# Altium PCB cheriot-test.PcbDoc (part 5 of 10) (continued)
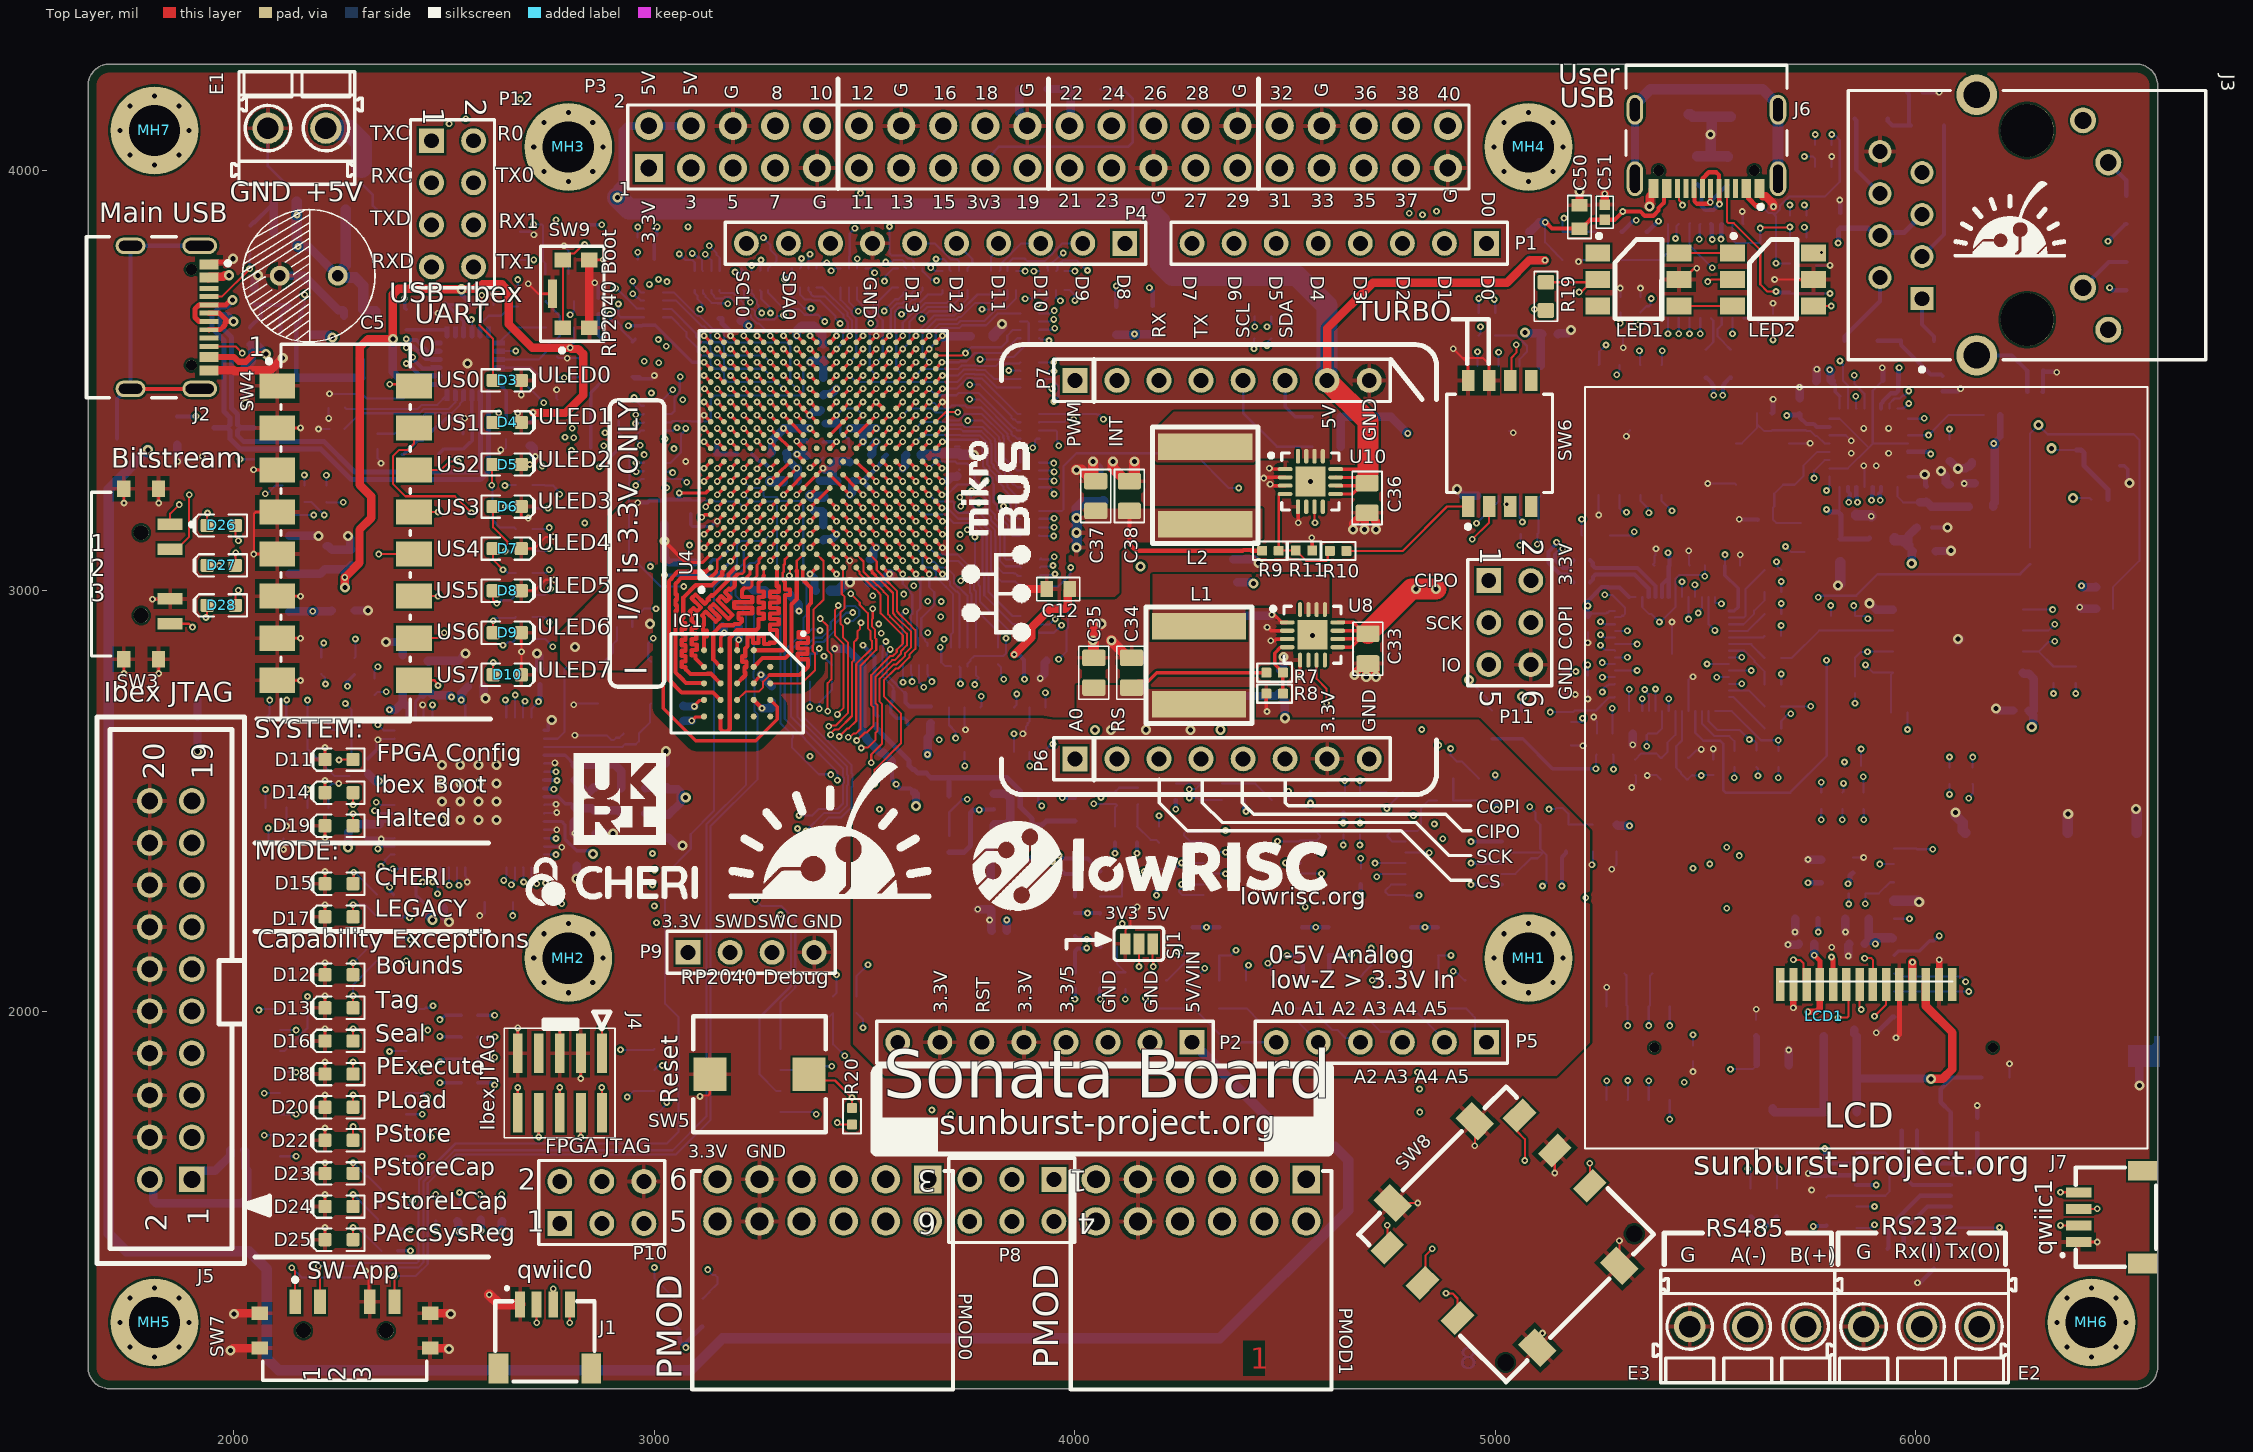
[diagram p0: Top Layer view]
## Nets (pads, with @x,y where several pads share a name; then routed paths per layer and width w, separated by ;. In a path a pad name is that pad's centre, name@x,y a point inside that pad or via, vN(x,y) a via of type N, cw(c..) or ccw(c..) an arc to the next point about the centre after c; other vN are vias at no path point) (continued)
  Bottom Layer w12: C24.2@3153.54,3646.71 3160.23,3646.71 3160.93,3646 3160.93,3635.99 3180.34,3616.58 3180.34,3607.06 v1(3181.1,3606.3) ; R38.2@3700.79,2377.95 3736.22,2377.95 3751.97,2393.7 3751.97,2471.63 3758.23,2477.9 3771.56,2477.9 v1(3772.33,2478.66) ; C109.2@5658.11,3422 5660.42,3424.31 v1(5660.42,3454.92) ; v1(5905.51,1948.82) 5906.28,1949.58 5908.26,1949.58 5944.29,1985.62 SD1.11@5948.23,1985.62 ; v1(5920,3530) 5920,3528.92 5921.89,3527.03 C131.2@5921.89,3500 ; v2(6021.03,3275.93) 6023.01,3273.94 6023.01,3250.1 C128.2@6025,3248.11
  Bottom Layer w19.68: v1(3210.05,3024.22) 3211.05,3024.22 3217.78,3017.49 3218.73,3017.49 3235.39,3000.83
  Bottom Layer w20: R4.2@1865,3346.54 1865,3308.23 v1(1866.14,3307.09) ; C1.2@2026.31,3477.44 2027.56,3476.19 v2(2027.56,3444.88) ; R3.2@2047.24,3720.47 2049.06,3722.28 2049.06,3741.97 v2(2057.09,3750) ; C2.2@2094.88,3850 C3.2@2094.88,3921.06 ; C5.2@2109.2,3749 2166.35,3749 2248.19,3667.17 2259.02,3667.17 2261.81,3664.37 Q5.1@2261.81,3653.54 ; U2.1@2132.05,3130.56 2200.15,3130.56 v2(2200.79,3129.92) ; C41.2@2220.47,3106.3 2224.41,3106.3 2233.86,3096.85 C40.2@2279.53,3096.85 2276.93,3099.45 2276.93,3124.65 v2(2271.65,3129.92) ; C39.2@2287.4,2952.76 v2(2318.9,2952.76) ; v2(2362.2,2877.95) 2389.86,2877.95 2401.57,2866.24 C76.2@2401.57,2846.46 ; C75.2@2462.99,2830.71 C75.2@2460.63,2833.07 2533.86,2833.07 v2(2551.18,2850.39) ; C137.2@2496.85,2248.03 2499.45,2245.43 2499.45,2224.96 v2(2511.81,2212.6) ; C138.2@2592.91,2771.65 2594.49,2770.08 2594.49,2748.03 v2(2598.43,2744.09) ; C42.2@2704,3344.44 2707.94,3344.44 2712.7,3339.68 2712.7,3322.73 v1(2716.54,3318.9) ; v2(2720.47,2850.39) 2725.75,2845.12 2725.75,2815.98 C117.2@2728.35,2813.39 ; C74.2@2811.02,2548.82 2829.94,2529.9 2829.94,2514.4 v2(2830.71,2513.64) 2831.47,2514.4 2838.03,2514.4 2856.06,2532.44 C73.2@2860,2532.44 ; v2(2814.96,2314.96) C134.2@2814.96,2345.67 ; C70.2@2860,2422.44 v2(2901.33,2422.44) ; C20.2@3023.62,3159.38 v2(3023.62,3118.11) 3024.29,3117.44 3024.29,3077.8 C21.2@3024.96,3077.13 3035.16,3066.93 C15.2@3096.06,3066.93 ; C72.2@3027.56,2590 v2(3027.56,2618.11) ; C69.2@3030,2412.44 3033.94,2412.44 3052.68,2393.7 v2(3066.93,2393.7) ; C68.2@3068.23,2689.67 3069.48,2690.92 v1(3089.01,2690.92) ; C67.2@3198.11,2915 3200.43,2912.68 v1(3200.43,2883.06) ; 3235.39,3000.83 3262.64,3000.83 3267.4,2996.06 C19.2@3267.4,2992.13 ; v1(3253.4,2800.16) 3254.77,2798.79 3254.77,2797.2 3255.78,2796.19 C66.2@3279.53,2772.44 ; C7.2@3313.39,3326.77 3315.98,3324.17 3315.98,3312.08 3336.73,3291.34 v1(3338.58,3291.34) ; v1(3338.98,3324.52) 3340.43,3323.07 3359.61,3323.07 C139.2@3362.2,3320.47 ; C6.2@3340.95,3259.84 v1@3340.95,3291.34 ; v1(3369.58,3417.49) 3377.91,3425.82 3392.33,3425.82 C17.2@3395.64,3429.13 ; v1(3370.08,3543.31) 3373.3,3546.53 3398.98,3546.53 3401.57,3549.13 C23.2@3401.57,3506.3 ; 3377.95,3192.91 3381.65,3189.21 3398.98,3189.21 3401.57,3186.61 C25.2@3401.57,3155.91 ; C10.2@3393.55,3262.05 3394.27,3261.33 C8.2@3424.3,3261.33 ; v1@3405.02,3287.4 3424.3,3287.4 ; v1(3429.13,2862.2) 3456.69,2862.2 3494.25,2824.65 3494.25,2662.8 3500.75,2656.31 3500.75,2655.2 3503.84,2652.12 3503.84,2648.68 3538.39,2614.13 3545.32,2614.13 3564.96,2594.49 U14.3@3564.96,2586.61 ; C8.2@3435.09,3260.61 3434.37,3261.33 C8.2@3424.3,3261.33 ; C16.2@3464.57,3304.72 3461.97,3307.32 3432.24,3307.32 3429.17,3304.25 3429.17,3301.66 3424.3,3296.79 3424.3,3287.4 ; C9.2@3515.36,3322.83 3517.96,3325.43 3517.96,3340.87 3521.06,3343.98 3521.06,3347.83 v1(3527.56,3354.33) ; C59.2@3618.11,2519.68 3622.05,2515.75 v2(3622.05,2488.19) ; v1(3649.61,2610.24) 3649.61,2649.61 3655.67,2655.67 3655.67,2683.23 R195.1@3657.48,2685.04 ; C56.2@3838.11,2191.26 v1(3838.11,2216.86) ; R213.1@3868.11,4192.91 3868.11,4136.71 3887.01,4117.82 P3.20@3887.01,4105.12 ; v1(3917.32,2791.34) 3927.8,2801.81 3927.8,2828.16 C11.2@3932.56,2832.93 ; v2(4043.31,3307.09) 4043.31,3306 4058.23,3291.08 4058.23,3272.48 4062.99,3267.72 C13.2@4066.93,3267.72 ; C31.2@4376.38,3074.8 4426.97,3074.8 4435.59,3066.19 v2(4436.67,3066.19) ; C32.2@4385.83,3019.68 4421.62,3019.68 4424.11,3017.19 v2(4425.2,3017.19) ; U9.1@4395.16,2930.55 4404.84,2940.24 4444.17,2940.24 ; 4444.88,2940.94 4444.17,2940.24 ; v1(4468.5,2942.84) 4465.9,2940.24 4444.17,2940.24 ; C30.2@4488.19,2811.02 4491.3,2811.02 4496.06,2815.79 v2(4496.06,2842.52) ; v2(4908.85,3241.15) 4924.55,3225.45 U19.4@4957.53,3225.45 ; C91.2@5148.11,3610 5150.71,3612.6 5172.6,3612.6 v2(5180,3620) ; v1(5326.77,2633.86) 5326.77,2659.88 C85.2@5326.89,2660 ; v1(5695.82,2158.39) 5720.28,2158.39 C112.2@5721.89,2160 ; Q2.2@5697.4,1871.18 v1(5697.4,1907.8) ; C113.2@5712.44,2220 5712.6,2219.84 v1(5712.6,2188.14) ; C132.2@5723.33,3458.03 v1(5723.33,3483.63) ; v1(5743.3,2360.54) C121.2@5775,2360.54 ; C133.2@5763.33,3498.39 5764.58,3499.64 v1(5764.58,3526.55) ; v1(5832.44,2188.3) C115.2@5832.44,2220 ; v1(5839,2131.16) 5839.29,2131.45 5839.29,2157.4 C114.2@5841.89,2160 ; v2(5890,2970) 5905,2955 U17.4@5945.45,2955 ; C125.2@6047.56,3093.54 6048.29,3094.27 6082.38,3094.27 v2(6083.11,3095) ; v2(6060,3285) 6060,3283.92 6071.3,3272.62 6071.3,3257.32 6076.06,3252.56 C124.2@6080,3252.56 ; 6080,3307.91 6081.01,3307.91 6098.92,3290 v2(6100,3290) 6100.77,3290.77 6118.21,3290.77 6123.74,3296.3 6127.68,3296.3 6132.44,3301.06 C123.2@6132.44,3305 ; U17.9@6100,2880 6105,2885 v2(6100,2885) ; v1(6115,3255) C127.2@6140,3255 ; v2(6190,2720) 6195,2715 C80.2@6231.89,2715 ; v1(6389.76,2960.63) 6393.7,2956.69 R205.2@6429.13,2956.69 ; v2(6531.5,1822.83) 6531.5,1893.7 ; C8.2@3424.3,3261.33 3424.3,3287.4
  Bottom Layer w25: v1(2811.02,2423.22) C71.2@2811.02,2448.82 ; C14.2@3419.69,3000 3419.78,3000.1 3437.11,3000.1 3456.97,3019.96 v2(3465,3019.96) ; C29.2@3511.81,3019.68 3539.37,3019.68 v1(3559.06,3039.37) ; C26.2@3635.53,3322.83 3635.62,3322.93 3665.22,3322.93 3669.13,3326.84 3724.34,3326.84 3728.35,3322.83 v2(3759.84,3322.83) ; C111.2@3807.56,3605 3807.56,3608.94 3826.77,3628.15 v2(3826.77,3633.86) ; C52.2@5460,4132.44 5463.94,4132.44 5469.84,4126.54 5514.92,4126.54 ; R35.1@5480,4033.46 5480.91,4032.56 5516.41,4032.56 ; R36.1@5552.82,4031.65 5551.91,4032.56 5516.41,4032.56 ; R33.2@5560,4126.54 5514.92,4126.54 ; v2(5814.96,3011.81) 5820,3016.85 C126.2@5820,3067.44 ; C130.2@5858.11,3180 5858.21,3179.9 5890.96,3179.9 v1(5893.7,3177.17) ; SD1.6@5948.23,2263.18 6004.54,2263.18 v2(6007.87,2259.84) ; v2(6094.49,2472.44) 6094.49,2464.5 6111.4,2447.59 6111.4,2430.71 SD1.12@6117.52,2424.59 ; SD1.10@6361.61,2424.59 6361.61,2450.31 6361.61,2467.91 v2(6362.2,2468.5) ; v2(6523.62,2480.32) 6525,2478.94 SD1.13@6525,2424.59 ; 5514.92,4126.54 5514.92,4087.76 v2(5511.81,4084.65) 5511.81,4037.16 5516.41,4032.56
  other v1: 5751.97,1574.8 5800.07,2151.9 5875.98,3297.24 5905.51,3297.24 3074.8,3307.09 5846.46,3326.77 5935.04,3326.77 5875.98,3385.83 5935.04,3385.83
  other v2: 4565,2893.89 4560.04,3259.53
  other v3: 2495.04,2455.04 2538.35,2455.04 2581.65,2455.04 2624.96,2455.04 2495.04,2498.35 2538.35,2498.35 2581.65,2498.35 2624.96,2498.35 2495.04,2541.65 2538.35,2541.65 2581.65,2541.65 2624.96,2541.65 2495.04,2584.96 2538.35,2584.96 2581.65,2584.96 2624.96,2584.96
HYPERRAM_CK_N: IC1.B1 U4.G2 | length 333.3
  Top Layer w6: 3308.41,3022.65 3305.08,3025.98 3305.08,3042.06 3307.95,3044.93 3307.95,3061.29 3310.34,3063.68 3310.34,3074.11 U4.G2@3322.83,3086.61
  Top Layer w10: IC1.B1@3236.22,2858.27 3305.15,2858.27 3305.15,2860.54 3310.74,2866.14 3310.74,2919.58 3310.74,2989.58 3322.75,2989.58 3322.75,3002.58 3310.74,3002.58 3310.74,3014.71 3310.63,3014.83 3310.63,3020.43 3308.41,3022.65
HYPERRAM_CK_P: IC1.B2 U4.H2 | length 348.7
  Top Layer w6: 3338.58,3047.24 3338.58,3070.87 U4.H2@3354.33,3086.61
  Top Layer w10: IC1.B2@3236.22,2818.9 3257.32,2840 3311.41,2840 3325.74,2854.33 3325.74,2967.48 3338.58,2980.32 3338.58,3027.48 3339.08,3027.98 3339.08,3044.64 3338.58,3045.14 3338.58,3047.24
HYPERRAM_CS: IC1.A3 U4.J2 | length 414.4
  Top Layer w5: IC1.A3@3275.59,2779.53 3350.39,2779.53 3381.89,2811.02 3381.89,2850.77 3376.52,2856.13 3376.52,2868.97 3377.95,2870.4 3377.95,2954.61 3402.02,2978.68 3402.02,3070.42 U4.J2@3385.83,3086.61
HYPERRAM_DQ0: IC1.D3 U4.B1 | length 488.3
  Top Layer w10: IC1.D3@3157.48,2779.53 3134.47,2802.53 3126.19,2802.53 3125.27,2801.61 3085.8,2801.61 3079.83,2807.58 3074.07,2813.34 3074.07,2818.34 3065,2818.34 3065,2831.34 3074.17,2831.34 3074.17,2844.34 3065,2844.34 3065,2857.34 3074.07,2857.34 3074.07,2870.34 3065,2870.34 3065,2883.34 3074.07,2883.34 3074.07,2896.34 3065,2896.34 3065,2909.34 3074.07,2909.34 3074.07,2922.34 3065,2922.34 3065,2935.34 3068.82,2935.34 3068.82,2980.32 3068.82,2983.65 3096.99,3011.81 3098.26,3013.08 3136.92,3013.08 3161.25,3037.42 3161.25,3044.82 3164.63,3048.19 3164.63,3054.4 U4.B1@3165.35,3055.12
HYPERRAM_DQ1: IC1.D2 U4.E2 | length 505.8
  Top Layer w7: 3213.87,3006.22 3226.69,3006.22 3232.28,3011.81 3232.28,3023.62 3243.74,3035.07 3243.74,3060.78 3248.79,3065.83 3248.79,3074.53
  Top Layer w8: 3248.79,3074.53 U4.E2@3259.84,3085.59
  Top Layer w10: IC1.D2@3157.48,2818.9 3140.2,2836.18 3140.2,2899.17 3159,2917.98 3187.48,2917.98 3190.5,2921 3202.59,2921 3208.44,2926.86 3208.44,2928.28 3208.44,2933.28 3200.37,2933.28 3200.37,2946.28 3232.58,2946.28 3232.58,2959.28 3189.77,2959.28 3189.77,2972.28 3232.58,2972.28 3232.58,2985.28 3208.44,2985.28 3208.44,3000.79 3209.92,3002.27 3213.87,3006.22 ; U4.E2@3259.84,3085.59 U4.E2@3259.84,3086.61
HYPERRAM_DQ2: IC1.C4 U4.H1 | length 597.7
  Top Layer w5: IC1.C4@3196.85,2740.16 3216.69,2760 3248.03,2760 3258.75,2770.72 3258.75,2783.59 3274.37,2799.21
  Top Layer w8: U4.H1@3354.33,3055.12 3353.22,3054.01 3353.22,3046.56 3353.08,3046.41 3353.08,3026.34 3355.74,3023.68
  Top Layer w10: 3274.37,2799.21 3345.39,2799.21 3365.08,2818.9 3365.08,2831.77 3365.08,2836.77 3340.74,2836.77 3340.74,2849.77 3364.02,2849.77 3364.02,2862.77 3340.74,2862.77 3340.74,2875.77 3365.45,2875.77 3365.45,2888.77 3342.47,2888.77 3342.47,2901.77 3365.08,2901.77 3365.08,2918.93 3365.08,2962.66 3372.78,2970.36 3372.78,3006.64 3355.74,3023.68
HYPERRAM_DQ3: IC1.D4 U4.A1 | length 490.4
  Top Layer w10: U4.A1@3133.86,3055.12 3132.84,3055.12 3122.72,3045 3055.34,3045 3042,3031.66 3042,3029.54 3035,3022.54 3035,2788.03 3064.87,2758.16 3139.48,2758.16 IC1.D4@3157.48,2740.16
HYPERRAM_DQ4: IC1.D5 U4.E1 | length 576.4
  Top Layer w6: U4.E1@3259.84,3055.12 3260.24,3054.72 3260.24,3035.24
  Top Layer w10: IC1.D5@3157.63,2700.64 IC1.D5@3157.48,2700.79 3157.48,2671.21 3163.34,2665.35 3173.23,2665.35 3179.13,2671.26 3179.13,2887.19 3184.46,2892.52 3184.46,2893.75 3196.71,2906 3241.72,2906 3247.58,2911.86 3247.58,2925.2 3247.58,2932.87 3260.26,2932.87 3260.26,2945.87 3247.58,2945.87 3247.58,2958.87 3260.26,2958.87 3260.26,2971.87 3247.58,2971.87 3247.58,2984.87 3260.26,2984.87 3260.26,2997.87 3247.58,2997.87 3247.58,3002.87 3247.58,3018.72 3259.13,3030.27 3259.13,3034.13 3260.24,3035.24
HYPERRAM_DQ5: IC1.E3 U4.B2 | length 465
  Top Layer w6: 3146.25,3043.65 3148.25,3045.65 3148.25,3050.2 3149.61,3051.55 3149.61,3072.97 3163.25,3086.61 U4.B2@3165.35,3086.61
  Top Layer w10: IC1.E3@3118.11,2779.53 3117.24,2780.4 3075.41,2780.4 3063,2792.82 3050,2805.82 3050,2818.91 3050,2934.2 3050,2952.2 3053.82,2952.2 3053.82,2965.2 3050,2965.2 3050,2978.2 3053.82,2978.2 3053.82,2991.2 3050,2991.2 3050,3003.94 3050,3016.33 3057,3023.33 3057,3024.14 3062.86,3030 3132.63,3030 3146.25,3043.63
HYPERRAM_DQ6: IC1.E2 U4.C1 | length 457.4
  Top Layer w10: IC1.E2@3118.11,2818.9 3098,2839.01 3098,2841 3098,2846 3089.07,2846 3089.07,2859 3100.83,2859 3100.83,2872 3089.07,2872 3089.07,2885 3099.63,2885 3099.63,2898 3089.07,2898 3089.07,2911 3099.59,2911 3099.59,2924 3093,2924 3089.07,2927.93 3089.07,2935.75 3089.07,2937.5 3089.07,2938.16 3092.28,2941.37 3083.83,2949.82 3093.02,2959.02 3101.47,2950.56 3110.66,2959.75 3088.4,2982.01 3097.6,2991.21 3119.86,2968.95 3129.05,2978.14 3126.68,2980.51 3135.87,2989.7 3138.24,2987.33 3176.25,3025.34 3176.25,3029.18 3176.25,3038.6 3192.05,3054.4 3196.13,3054.4 U4.C1@3196.85,3055.12
HYPERRAM_DQ7: IC1.E1 U4.D2 | length 512.6
  Top Layer w6: 3197.09,3038.23 3199.09,3040.23 3209.1,3040.23 3213.46,3044.58 3213.46,3071.72 U4.D2@3228.35,3086.61
  Top Layer w10: IC1.E1@3118.11,2858.27 3118.11,2873.81 3118.11,2891.81 3125.2,2891.81 3125.2,2904.81 3115.67,2904.81 3115.67,2917.81 3118.11,2917.81 3118.11,2928.86 3118.11,2935.94 3113.09,2940.96 3122.28,2950.15 3146.12,2926.31 3155.31,2935.5 3131.47,2959.35 3140.66,2968.54 3176.17,2933.03 3185.37,2942.22 3149.86,2977.73 3159.05,2986.92 3171.12,2974.85 3180.32,2984.04 3168.24,2996.12 3177.43,3005.31 3181.15,3001.59 3190.2,3010.63 3191.28,3011.72 ; 3191.25,3011.75 3191.25,3032.39 3197.09,3038.23
HYPERRAM_nRST: IC1.A4 U4.C2 | length 888.5
  Top Layer w8: v1(3024,3037) 3024,3034.84 3021,3031.84 3021,2720.74 3098.74,2643 3240.83,2643 3291.87,2694.04 3291.87,2723.87 IC1.A4@3275.59,2740.16 ; v1(3181.1,3070) 3181.1,3070.43 3196.85,3086.18 U4.C2@3196.85,3086.61
  Bottom Layer w8: v1(3024,3037) 3148.1,3037 v1(3181.1,3070)
HYPERRAM_RWDS: IC1.C3 U4.F1 | length 609.3
  Top Layer w10: IC1.C3@3196.85,2779.53 3216.18,2798.85 3216.18,2800.1 3216.18,2805.1 3214.13,2805.1 3214.13,2818.1 3218.94,2818.1 3218.94,2831.1 3209.09,2831.1 3209.09,2844.1 3216.18,2844.1 3216.18,2850.39 3216.18,2862.66 3216.54,2863.03 3221.54,2868.03 3221.54,2891 3234.54,2891 3234.54,2875.55 3247.54,2875.55 3247.54,2892.17 3260.54,2892.17 3260.54,2873.27 3273.54,2873.27 3273.54,2876 3285.73,2876 3291.59,2881.86 3291.59,2901.57 3291.59,2906.58 3275.26,2906.58 3275.26,2919.58 3295.74,2919.58 3295.74,2932.58 3275.26,2932.58 3275.26,2945.58 3295.74,2945.58 3295.74,2958.58 3275.26,2958.58 3275.26,2971.58 3295.74,2971.58 3295.74,2984.58 3275.26,2984.58 3275.26,2997.58 3295.74,2997.58 3295.74,3010.58 3291.21,3010.58 3291.21,3023.58 3291.59,3023.58 3291.59,3047.24 U4.F1@3291.59,3054.87
LCD_BACKLIGHT: Q2.1 R133.1 U4.N5 | length 3015.6
  Top Layer w8: U4.N5@3511.81,3181.1 v1(3527.56,3165.35)
  Int1 (Sign) w5: v1(3527.56,3165.35) 3543.06,3149.85 3543.06,2976.63 3688.98,2830.71 3899.87,2830.71 3943.18,2787.4 4479.11,2787.4 4509.52,2756.99 4587.07,2756.99 4587.86,2757.78 4754.03,2757.78 4817.36,2694.45 4845.55,2694.45 4975.92,2564.08 4975.92,2551.64 5127.39,2400.17 5127.39,2270.25 5399.75,1997.89 5404.36,1997.89 5440.94,1961.31 5440.94,1833.64 5441.77,1832.81 5446.71,1832.81 v1(5448.82,1830.71)
  Int4 (Sign) w5: v1(5448.82,1830.71) 5450.58,1830.71 5460.66,1840.79 5537.64,1840.79 v1(5559.06,1862.2)
  Bottom Layer w5: v1(5559.06,1862.2) 5612.3,1862.2 5621.3,1871.2 Q2.1@5621.3,1872.48
  Bottom Layer w15: R133.1@5620,1940.32 5621.3,1939.02 Q2.1@5621.3,1872.48
LCD_CLK: LCD1.9 U4.R5 | length 3191.1
  Top Layer w5: v1(5814.96,1984.25) 5815.7,1984.99 5836.39,1984.99 5839.32,1987.92 5839.32,2058.32 LCD1.9@5834.65,2062.99 5834.65,2059.06 LCD1.9@5836.62,2061.03
  Top Layer w8: U4.R5@3574.8,3181.1 v1(3590.55,3165.35)
  Int4 (Sign) w5: v1(3592.9,2991.89) 3594.29,2990.5 3795.72,2990.5 3853.31,2932.91 3887.09,2932.91 4003.54,2816.46 4216.69,2816.46 4255.58,2855.34 4476.07,2855.34 4482.75,2862.02 4677.98,2862.02 4963,2577 5155.57,2577 5219.07,2513.5 5228.62,2513.5 5285.68,2456.44 5590.63,2456.44 5600,2447.07 5600,2150 5673.52,2076.48 5737.46,2076.48 5784.08,2029.86 5784.08,1995.45 5795.28,1984.25 v1(5814.96,1984.25)
  Int6 (Sign) w5: v1(3590.55,3165.35) 3574.89,3149.7 3574.89,3009.03 3592.03,2991.89 v1(3592.9,2991.89)
LCD_COPI: LCD1.8 U4.R3 | length 3093.3
  Top Layer w5: LCD1.8@5866.14,2070.64 5866.14,2010.85 5870.08,2006.91 v1(5870.08,2003.94)
  Top Layer w8: U4.R3@3574.8,3118.11 v1(3590.55,3102.36)
  Int4 (Sign) w5: v1(3590.55,3102.36) 3593.53,3102.36 3599.52,3096.37 3604.78,3096.37 3614.28,3086.86 3659.47,3086.86 3669.29,3077.04 3669.29,3064.69 3679.12,3054.87 3713.19,3054.87 3716.26,3051.81 3743.7,3051.81 3785.01,3010.5 3804,3010.5 3861.59,2952.91 3895.37,2952.91 4011.83,2836.46 4205.51,2836.46 4261.56,2892.5 4455.24,2892.5 4459.92,2897.18 4463.48,2897.18 4472.56,2906.26 4472.56,2909.81 4476.13,2913.39 4654.9,2913.39 4971.28,2597 5163.86,2597 5227.36,2533.5 5236.91,2533.5 5293.96,2476.44 5598.91,2476.44 5623.88,2451.47 5623.88,2156.15 5683.55,2096.48 5815.33,2096.48 5870.08,2041.73 v1(5870.08,2003.94)
LCD_CS: LCD1.12 U4.P5 | length 2941
  Top Layer w5: v1(5708.66,2122.05) 5724.41,2122.05 5732.82,2113.64 5732.82,2070.34 LCD1.12@5740.16,2062.99
  Top Layer w8: U4.P5@3543.31,3181.1 v1(3559.06,3165.35)
  Int4 (Sign) w5: v1(3559.06,3165.35) 3562.03,3165.35 3568.03,3159.36 3569.62,3159.36 3579.12,3149.85 3600.51,3149.85 3606.2,3144.17 3606.2,3121.59 3609.71,3118.09 3664.08,3118.09 3669.43,3112.74 3669.43,3093.49 3676.55,3086.37 3691.83,3086.37 3711.34,3066.86 3715.34,3066.86 3720.4,3061.81 3747.85,3061.81 3789.15,3020.5 3808.14,3020.5 3865.73,2962.91 3899.52,2962.91 4015.97,2846.46 4150.79,2846.46 4232.51,2928.18 4461.25,2928.18 4462.08,2927.34 4655.08,2927.34 4975.43,2607 5168,2607 5231.5,2543.5 5241.05,2543.5 5298.11,2486.44 5603.05,2486.44 5633.88,2455.61 5633.88,2181.08 5696.09,2118.87 5700.23,2118.87 5701.3,2119.94 5706.56,2119.94 v1(5708.66,2122.05)
LCD_DC: LCD1.7 U4.U4 | length 2954.3
  Top Layer w5: v1(5877.95,2125.98) 5893.7,2125.98 5897.64,2122.04 LCD1.7@5897.64,2062.99
  Top Layer w8: U4.U4@3637.8,3149.61 v1(3653.54,3133.86)
  Int4 (Sign) w5: v1(3653.54,3133.86) 3655.65,3131.75 3665.22,3131.75 3679.12,3117.86 3691.46,3117.86 3700.54,3108.78 3700.54,3091.8 3715.48,3076.86 3719.49,3076.86 3724.54,3071.81 3751.99,3071.81 3793.3,3030.5 3850.59,3030.5 3867.45,3013.63 3867.45,3009.49 3858.45,3000.49 3858.45,2984.33 3869.88,2972.91 3908.18,2972.91 3923.4,2957.69 4449.84,2957.69 4450.5,2958.34 4638.23,2958.34 4979.57,2617 5172.14,2617 5235.64,2553.5 5245.19,2553.5 5302.25,2496.44 5607.19,2496.44 5680.32,2423.32 5680.32,2151.97 5694.75,2137.55 5715.08,2137.55 5736.97,2115.66 5790.55,2115.66 5792.79,2113.42 5805.63,2113.42 5807.87,2115.66 5866.35,2115.66 5876.68,2125.98 v1(5877.95,2125.98)
LCD_RST: LCD1.6 U4.R6 | length 3228.5
  Top Layer w5: v1(5901.57,1988.19) 5929.13,2015.75 LCD1.6@5929.13,2062.99
  Top Layer w8: U4.R6@3574.8,3212.6 v1(3590.55,3196.85)
  Int4 (Sign) w5: v1(3616.86,3011.77) 3628.13,3000.5 3799.86,3000.5 3857.45,2942.91 3891.23,2942.91 4007.69,2826.46 4212.55,2826.46 4251.44,2865.34 4471.93,2865.34 4478.61,2872.02 4682.12,2872.02 4967.14,2587 5159.72,2587 5223.22,2523.5 5232.77,2523.5 5289.82,2466.44 5594.77,2466.44 5613.88,2447.33 5613.88,2152.01 5679.41,2086.48 5749.38,2086.48 5783.22,2052.64 5783.22,2044.86 5839.89,1988.19 v1(5901.57,1988.19)
  Int6 (Sign) w5: v1(3590.55,3196.85) 3606.05,3181.35 3606.05,3022.88 3616.86,3012.07 v1(3616.86,3011.77)
LED_BOOTOK: R158.1 U4.L5 | length 2428.9
  Top Layer w8: U4.L5@3448.82,3181.1 v1(3464.57,3165.35)
  Int3 (Sign) w5: v1(2270.22,2772.73) 2332.34,2772.73 2359.61,2800 2496.06,2800 2522.28,2773.78 2657.69,2773.78 2663.46,2768 2792.86,2768 3054.98,2505.88 3054.98,2500.12 3066.4,2488.7 3072.16,2488.7 3110.86,2450 3346.86,2450 3358.55,2438.31 3358.55,2430.54 v1(3360.65,2428.43)
  Int6 (Sign) w5: v1(3458.51,2928.08) 3458.13,2927.7 3436.2,2927.7 3392.53,2971.37 3392.53,3011.62 3407.57,3026.66 3407.57,3104.42 3421.26,3118.11 3439.24,3118.11 3448.57,3127.44 3448.57,3128.15 3449.07,3128.64 3449.07,3149.85 v1(3464.57,3165.35)
  Bottom Layer w5: v1(3360.65,2428.43) 3403.08,2470.86 3439.5,2470.86 3458.5,2489.86 3458.5,2536.1 3460.71,2538.3 3460.71,2559.43 3458.5,2561.63 3458.5,2581.5 3340,2700 3340,2848.28 3379.77,2888.05 3398.16,2888.05 3419.31,2909.21 3419.31,2924.95 3457.83,2963.47 3478.01,2963.47 3487.09,2954.39 3487.09,2941.55 3473.63,2928.08 v1(3458.51,2928.08)
  Bottom Layer w8: v1(2270.22,2772.73) 2268.69,2774.26 2268.69,2778.98 2267,2780.66 R158.1@2286.65,2800.32
LED_CHERI: R155.1 U4.L4 | length 3128.6
  Top Layer w5: v1(3439.64,2653.2) 3459.11,2672.68 3462.63,2672.68 3480,2690.05 3480,2825.82 3517.62,2863.44 3517.62,2880.22 3514.22,2883.62 3514.22,2903.82 3507.72,2910.32 3507.72,2946.6 3488.38,2965.94 3488.38,2971.18 v1(3466.94,2992.62)
  Top Layer w8: U4.L4@3448.82,3149.61 v1(3464.57,3133.86)
  Int4 (Sign) w5: v1(2370.33,2294.38) 2393.45,2317.5 2393.45,2417.49 2411.07,2435.11 2511.03,2435.11 2626.23,2319.91 2626.23,2156.38 2635.5,2147.11 2635.5,1983.58 2604.5,1952.58 2604.5,1883.58 2644.07,1844.01 2699.3,1844.01 2795.96,1747.34 3140.63,1747.34 3444.4,2051.11 3447.78,2051.11 3468.57,2071.91 3468.57,2075.29 3480,2086.72 3480,2600 3439.64,2640.36 v1(3439.64,2653.2)
  Int6 (Sign) w5: v1(3464.57,3133.86) 3462.46,3131.75 3462.46,3122.18 3448.82,3108.53 3448.82,3031.51 3445.5,3028.19 3445.5,3011.88 3464.76,2992.62 v1(3466.94,2992.62)
  Bottom Layer w8: v1(2370.33,2294.38) 2370.33,2292.22 2371.87,2290.68 2371.87,2284.97 R155.1@2379.68,2277.16
LED_HALTED: R159.1 U4.L6 | length 2213.7
  Top Layer w8: U4.L6@3448.82,3212.6 v1(3464.57,3196.85)
  Int3 (Sign) w5: v1@2334.65,2818.9 2338.58,2822.83 2354.54,2838.79 2417.12,2838.79 2445.91,2810 2500.2,2810 2525.2,2785 2532.57,2785 2533.79,2783.78 2661.83,2783.78 2665.61,2780 2795,2780 3047.3,2527.7 3082.56,2527.7 3149.75,2460.5 3325.83,2460.5 3328.73,2463.4 3341.73,2463.4 v1(3343.83,2465.5)
  Int6 (Sign) w5: v1(3393.7,2905.51) 3409.7,2921.51 3409.7,2940.06 3382.53,2967.23 3382.53,3015.76 3397.57,3030.8 3397.57,3156.64 3421.78,3180.85 3448.57,3180.85 v1(3464.57,3196.85)
  Bottom Layer w5: R159.1@2334.65,2791.34 2334.65,2810.65 2342.52,2818.52 v1(2342.52,2818.9) ; v1(3343.83,2465.5) 3343.97,2465.36 3375.36,2465.36 3390.86,2480.86 3435.36,2480.86 3448.5,2494 3448.5,2540.24 3450.71,2542.44 3450.71,2555.29 3448.5,2557.49 3448.5,2576.5 3325,2700 3325,2858.65 3375.7,2909.35 3380.7,2909.35 3382.44,2907.62 3391.6,2907.62 v1(3393.7,2905.51)
LED_LEGACY: R157.1 U4.K5 | length 2150
  Top Layer w8: U4.K5@3417.32,3181.1 v1(3433.07,3165.35)
  Int3 (Sign) w5: v1(2417.54,2222.46) 2449.1,2222.46 2499.75,2273.11 2499.75,2287.65 2496.31,2291.09 2496.31,2305.63 2510.3,2319.62 2539.62,2319.62 2727.6,2507.6 2776.46,2507.6 2789.93,2494.14 2913.52,2494.14 2915.98,2496.6 3044.36,2496.6 3062.26,2478.7 3068.02,2478.7 3106.72,2440 3184.14,2440 3189.64,2434.5 3340.44,2434.5 v1(3340.5,2434.45)
  Int4 (Sign) w5: v1(3433.07,3165.35) 3448.57,3149.85 3448.57,3031.27 3444.76,3027.45 3444.76,2978.74 3460.21,2963.29 3460.21,2959.35 v1(3471.59,2947.97)
  Bottom Layer w5: v1(3340.5,2434.45) 3342.6,2432.34 3342.6,2424.56 3354.23,2412.93 3367.07,2412.93 3415,2460.86 3445,2460.86 3468.5,2484.36 3468.5,2531.95 3470.71,2534.16 3470.71,2563.57 3468.5,2565.78 3468.5,2585.64 3350.65,2703.49 3350.65,2844.8 3383.91,2878.05 3402.3,2878.05 3429.31,2905.06 3429.31,2920.81 3456.09,2947.59 3471.21,2947.59 v1(3471.59,2947.97)
  Bottom Layer w8: R157.1@2379.68,2224.84 2415.16,2224.84 v1(2417.54,2222.46)
MAINCLK: R122.2 U4.P15 | length 973.9
  Top Layer w8: U4.P15@3543.31,3496.06 v1(3559.06,3511.81)
  Int3 (Sign) w5: v1(2869.5,3295) 2893.43,3295 2960.05,3361.63 3000.78,3361.63 3040.07,3322.33 3068.13,3322.33 3072.82,3327.02 3144.22,3327.02 3165.11,3347.91 3165.11,3361.96 3172.98,3369.83 3192.67,3369.83 3197.1,3374.26 3197.1,3393.95 3204.48,3401.33 3224.16,3401.33 3228.22,3405.39 3228.22,3429.01 3232.28,3433.07 3252.02,3433.07 3259.84,3440.9 3259.84,3488.19 3267.96,3496.31 3393.95,3496.31 3424.95,3527.31 3543.55,3527.31 v1(3559.06,3511.81)
  Bottom Layer w8: v1(2869.5,3295) 2885.03,3310.53 2887.92,3310.53 2915.35,3337.96 R122.2@2915.35,3339.93
MB0: P6.2 R178.1B | length 627.5
  Int6 (Sign) w5: v1(3591.38,2782.53) 3591.38,2782.2 3604.58,2769 3605.1,2769 3615,2759.1 3615,2755.16 3682.99,2687.17 3693.83,2687.17 3696,2685 4000.04,2685 4071.34,2613.7 4071.67,2613.7 4085.37,2600 P6.2@4100,2600
  Bottom Layer w5: R178.1B@3590.32,2822.87 3590.85,2822.34 3590.85,2783.06 v1(3591.38,2782.53)
MB1: P6.3 R178.2B | length 710.8
  Int6 (Sign) w5: v1(3612.82,2783.78) 3612.82,2782.68 3625,2770.5 3625,2759.3 3687.14,2697.17 3697.98,2697.17 3700.14,2695 4105,2695 P6.3@4200,2600
  Bottom Layer w5: R178.2B@3610.01,2822.87 3610.5,2822.37 3610.5,2802.5 3612.82,2800.18 v1(3612.82,2783.78)
MB2: P6.4 R178.3B | length 794.3
  Int6 (Sign) w5: v1(3640.5,2770) 3640.5,2769.5 3661.67,2748.33 3661.67,2736.77 3691.28,2707.17 3702.12,2707.17 3704.28,2705 4195,2705 P6.4@4300,2600
  Bottom Layer w5: R178.3B@3629.69,2822.87 3629.69,2781.61 3640.5,2770.8 v1(3640.5,2770)
MB3: P6.5 R178.4B | length 877.9
  Int6 (Sign) w5: v1(3660,2783.78) 3660,2766.73 3672.69,2754.04 3672.69,2739.9 3695.42,2717.17 3706.26,2717.17 3708.43,2715 4265.31,2715 4369.97,2610.34 4389.66,2610.34 P6.5@4400,2600
  Bottom Layer w5: R178.4B@3649.38,2822.87 3649.38,2801.3 3650.36,2800.31 3650.36,2796.06 3660,2786.42 v1(3660,2783.78)
MB4: P6.6 R180.1B | length 1064.2
  Int6 (Sign) w5: v1(3680,2865.5) 3680,2779.22 3705.93,2753.29 3752.48,2753.29 3760.63,2761.43 3768.53,2761.43 3770.48,2763.38 3780.05,2772.91 4332.51,2772.91 4467.03,2638.39 4467.03,2632.97 P6.6@4500,2600
  Bottom Layer w5: v1(3680,2865.5) 3682.1,2863.4 3682.1,2829.82 3691.42,2820.5 3704.85,2820.5 R180.1B@3705.63,2819.72
MB5: P7.6 R180.2B R209.2 | length 1665.2
  Int6 (Sign) w5: v1(3728.08,2778.79) 3731.06,2778.79 3740.1,2787.83 3746.91,2787.83 3774.08,2815 3915.86,2815 3920.86,2810 3984.14,2810 3989.14,2815 3992,2815 4005.96,2828.96 4005.96,2963.18 3953.64,3015.5 3947.78,3015.5 3905,3058.28 3905,3280.33 3943.59,3318.92 3971.84,3318.92 3980.31,3327.39 3981.36,3327.39 3984.68,3330.71 4330.71,3330.71 P7.6@4500,3500
  Bottom Layer w5: R180.2B@3725.31,2819.72 3727.3,2817.74 3727.3,2779.57 v1(3728.08,2778.79)
  Bottom Layer w8: P7.6@4500,3500 4500,3437.01 4523.62,3413.39 R209.2@4564.96,3413.39
MB6: P7.5 R180.3B R208.2 | length 1703.7
  Int6 (Sign) w5: v1(3836.18,2886.82) 3836.55,2887.18 3857.82,2887.18 3925,2820 3980,2820 3995.96,2835.96 3995.96,2959.04 3949.5,3005.5 3943.64,3005.5 3895,3054.14 3895,3284.47 3939.6,3329.08 3967.86,3329.08 3976.17,3337.39 3977.22,3337.39 3982.93,3343.1 3983.61,3343.1 3985.02,3344.5 4196.86,3344.5 4352.36,3500 P7.5@4400,3500
  Bottom Layer w5: R180.3B@3745,2819.72 3745,2826.61 3751.28,2832.89 3751.28,2835.63 3760.28,2844.63 3829.94,2844.63 3836.46,2851.15 3836.46,2886.54 v1(3836.18,2886.82)
  Bottom Layer w6: P7.5@4400,3500 4400,3422.83 4480.31,3342.52 R208.2@4564.96,3342.52
MB7: P7.4 R180.4B | length 1386.6
  Int6 (Sign) w5: v1(3762.11,2776.93) 3761.98,2776.93 3748.34,2763.29 3710.07,2763.29 3703.05,2770.32 3703.05,2803.05 3845.82,2945.82 3845.82,3202.63 3855,3211.8 3855,3335.86 3930,3410.86 3930,3547.29 3941.21,3558.5 4227.36,3558.5 4285.86,3500 P7.4@4300,3500
  Bottom Layer w5: v1(3762.11,2776.93) 3764.21,2779.04 3764.21,2785.69 3771,2792.48 3764.69,2798.79 R180.4B@3764.69,2819.72